# Altium PCB 电解模块主控板SC_V1.1_ZM_20211015.PcbDoc (part 3 of 4)
Units mm, origin at the board's own origin, x right, y up, seen from the top; angles counter-clockwise.
Board outline 150.25 x 100.26 mm, 2 copper layers (Top Layer, Bottom Layer); 223 components, 168 nets, 679 pads, 1966 vias.
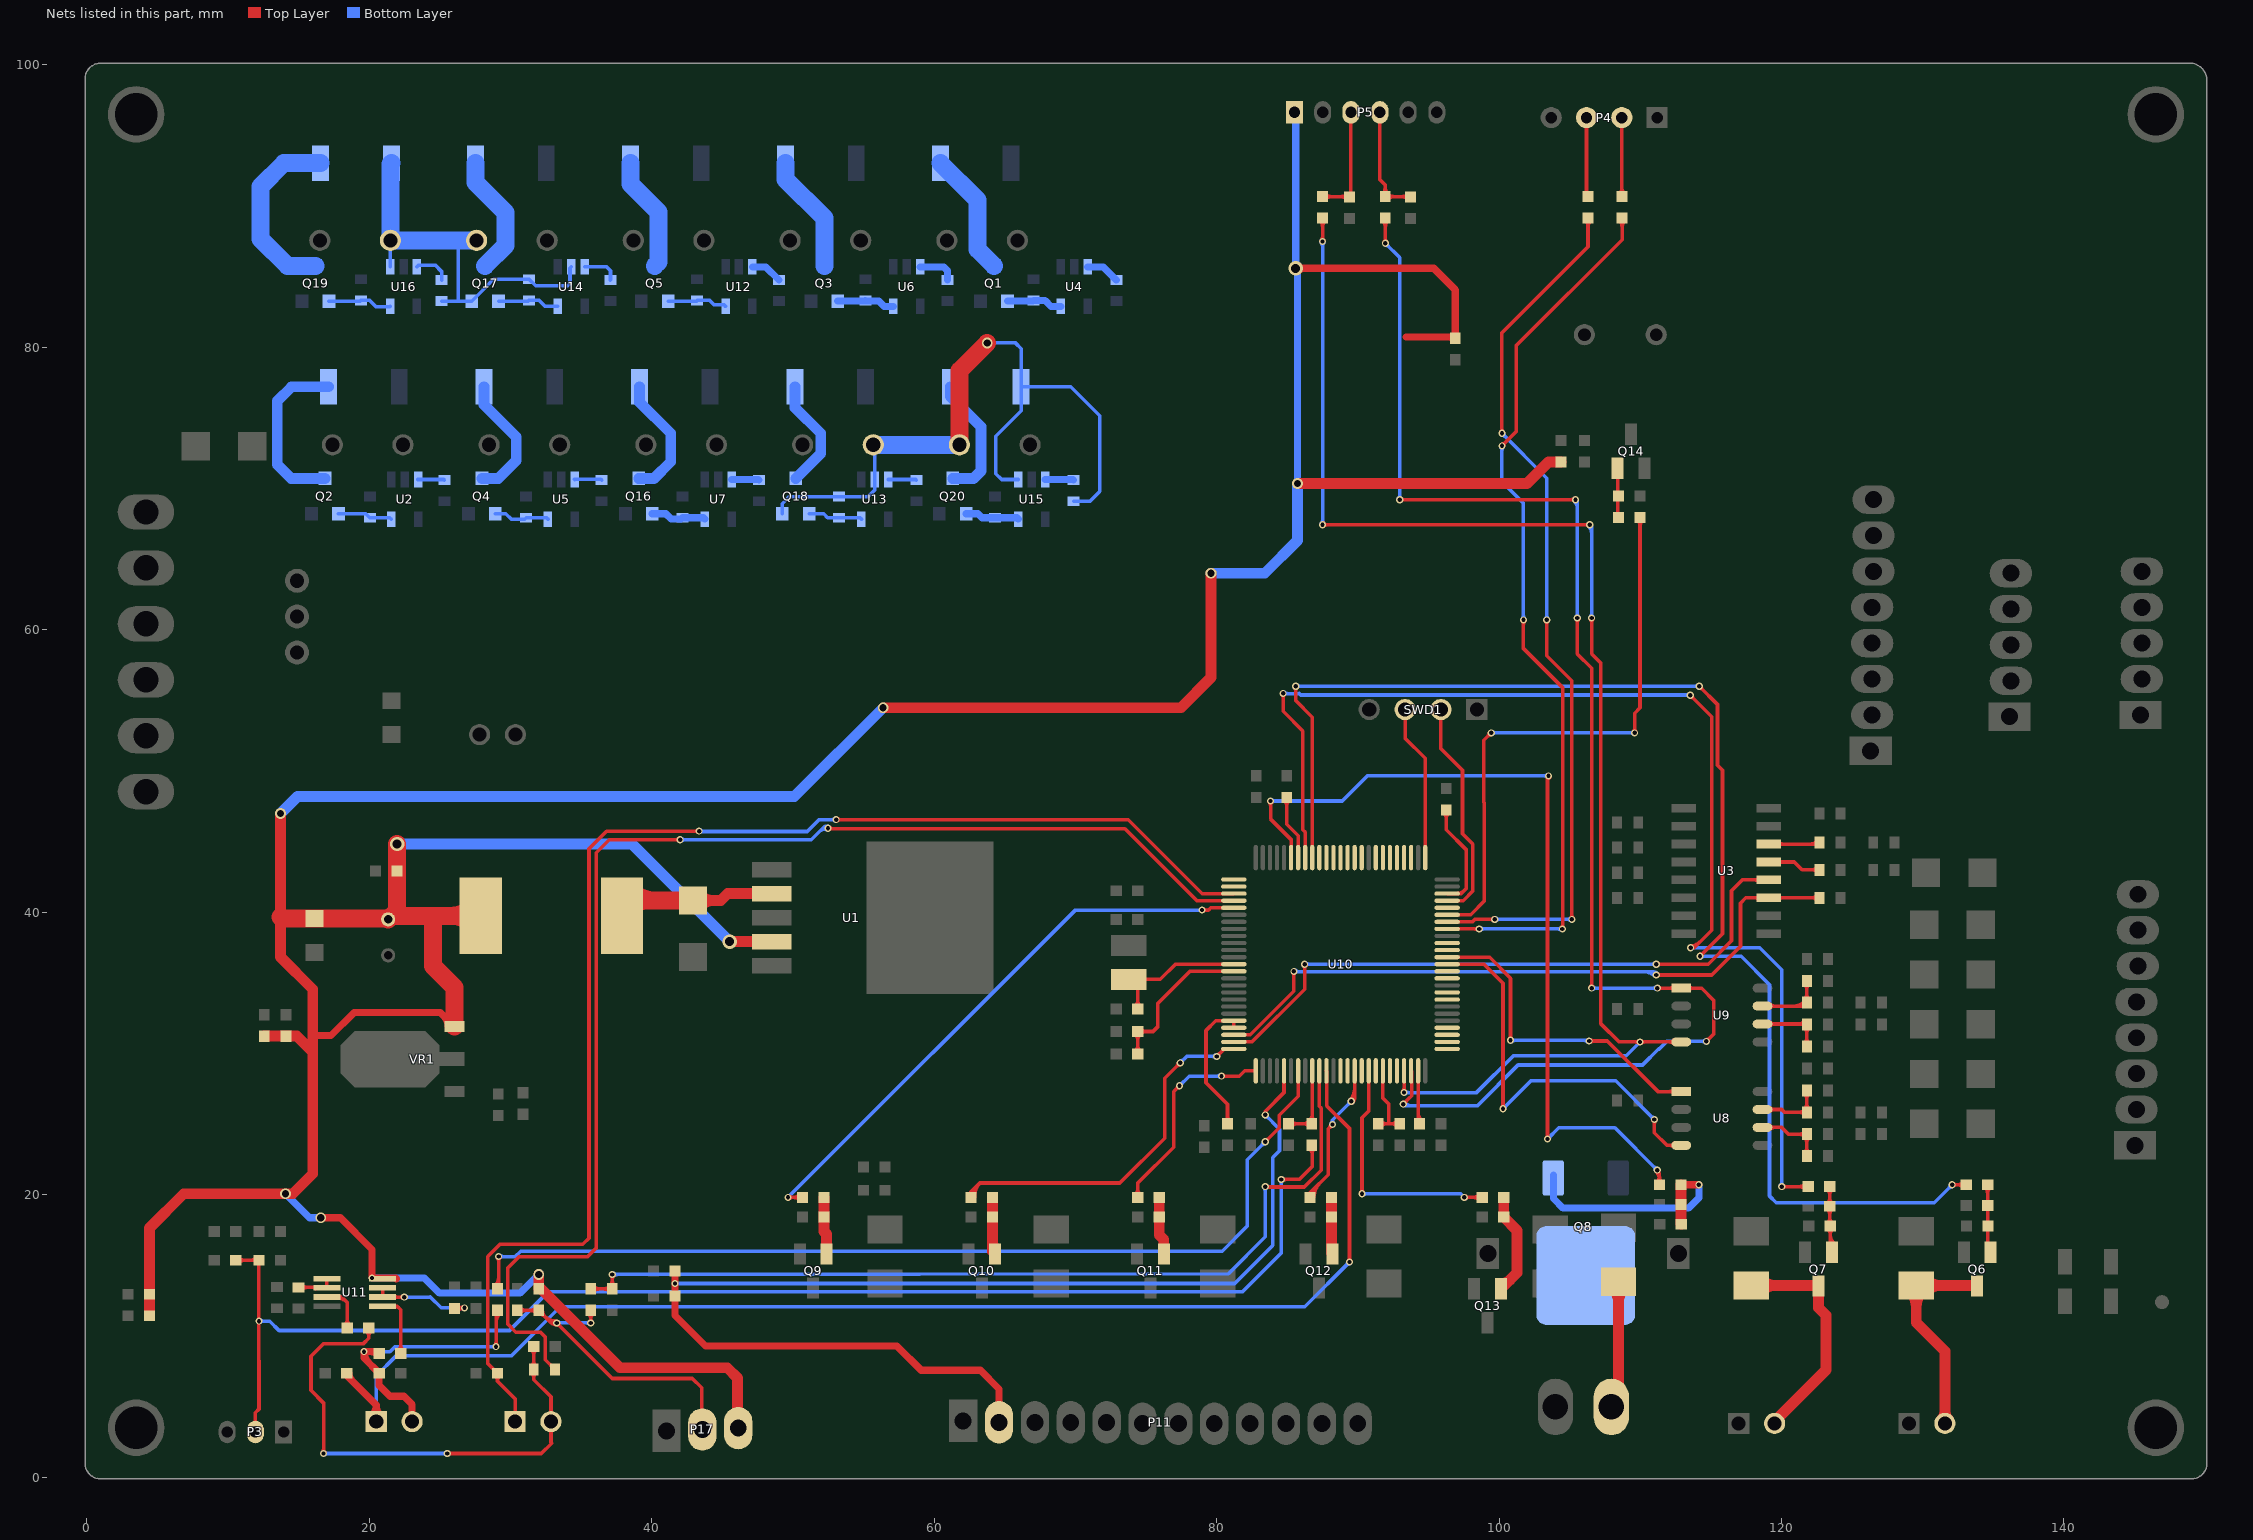
[diagram p3: the nets of this part, all layers, seen from the top]

## Via types
v1: diameter 0.762, hole 0.508, Top Layer to Bottom Layer, tented both sides, 1790 vias
v2: diameter 0.508, hole 0.305, Top Layer to Bottom Layer, tented both sides, 127 vias
v3: diameter 1.016, hole 0.635, Top Layer to Bottom Layer, tented both sides, 39 vias
v4: diameter 1.27, hole 0.762, Top Layer to Bottom Layer, tented both sides, 5 vias
v5: diameter 2.032, hole 1.524, Top Layer to Bottom Layer, tented both sides, 4 vias
v6: diameter 2.54, hole 2.032, Top Layer to Bottom Layer, tented both sides, 1 vias

## Nets (pads, with @x,y where several pads share a name; then routed paths per layer and width w, separated by ;. In a path a pad name is that pad's centre, name@x,y a point inside that pad or via, vN(x,y) a via of type N, cw(c..) or ccw(c..) an arc to the next point about the centre after c; other vN are vias at no path point) (continued)
NetC37_2: C37.2 R7.2 U10.44 | length 7.4
  Top Layer w0.254: R7.2@91.44,25.019 92.202,25.019 ; R7.2@91.62,24.839 cw(c92.053,24.406) 92.053,25.019 cw(c92.053,25.632) R7.2@91.62,25.199 ; U10.44@91.773,28.772 91.773,26.845 92.202,26.416 92.202,25.019 ; C37.2@92.784,24.839 ccw(c92.351,24.406) 92.351,25.019 ccw(c92.351,25.632) C37.2@92.784,25.199 ; C37.2@92.964,25.019 92.202,25.019
NetC38_2: C38.2 R8.2 U10.34 | length 8.3
  Top Layer w0.254: C38.2@85.09,25.019 R8.2@86.741,25.019 86.773,25.051 U10.34@86.773,28.772 ; C38.2@85.27,24.839 cw(c85.703,24.406) 85.703,25.019 cw(c85.703,25.632) C38.2@85.27,25.199 ; R8.2@86.561,24.839 ccw(c86.128,24.406) 86.128,25.019 ccw(c86.128,25.632) R8.2@86.561,25.199 ; R8.2@86.561,25.218 ccw(c86.051,25.728) 86.773,25.728 ; 86.773,25.574 ccw(c87.277,25.574) R8.2@86.921,25.218
NetC39_2: C39.2 U10.49 | length 4.8
  Top Layer w0.254: C39.2@94.181,25.218 ccw(c93.96,25.439) 94.273,25.439 ; 94.273,25.864 ccw(c95.187,25.864) C39.2@94.541,25.218 ; U10.49@94.273,28.772 94.273,25.107 C39.2@94.361,25.019
NetC40_2: C40.2 R78.1 U10.14 | length 14
  Top Layer w0.254: R78.1@74.242,30.152 ccw(c73.809,30.585) 74.422,30.585 ccw(c75.035,30.585) R78.1@74.602,30.152 ; C40.2@74.242,31.38 cw(c73.809,30.946) 74.422,30.946 cw(c75.035,30.946) C40.2@74.602,31.38 ; R78.1@74.422,29.972 C40.2@74.422,31.559 75.501,31.559 75.819,31.877 75.819,33.528 78.113,35.822 U10.14@81.223,35.822 ; C40.2@74.621,31.38 cw(c75.054,30.946) 75.054,31.559 cw(c75.054,32.173) C40.2@74.621,31.739
NetC41_2: C41.2 C43.1 Q17.2 R101.2 R103.1 R112.1 U14.2 U16.1 | length 29
  Bottom Layer w0.254: U16.1@21.478,85.7 21.478,87.558 C43.1@21.499,87.579 ; R112.1@25.121,83.272 26.314,83.272 ; 26.365,87.579 26.314,87.528 26.314,83.272 ; U14.2@34.303,85.7 34.214,85.611 34.214,84.506 34.061,84.353 31.781,84.353 R101.2@31.312,84.822 28.803,84.822 Q17.2@27.255,83.275 27.252,83.272 26.314,83.272
  Bottom Layer w1.27: R103.1@21.561,93.04 21.499,92.979 C43.1@21.499,87.579 26.365,87.579 C41.2@27.599,87.579
NetC42_2: C42.2 C44.1 Q18.2 R102.2 R107.1 R111.1 U13.2 U15.1 | length 52.9
  Top Layer w1.27: C44.1@61.787,73.101 61.787,78.348 v1(63.754,80.315)
  Bottom Layer w0.254: Q18.2@49.253,68.219 49.253,68.938 49.752,69.437 R102.2@53.245,69.437 55.34,69.437 55.804,69.901 U13.2@55.804,70.644 55.804,72.985 C42.2@55.688,73.101 ; v1(63.754,80.315) 65.761,80.315 66.163,79.912 R107.1@66.163,77.216 ; U15.1@65.954,70.644 64.78,70.644 64.364,71.061 64.364,73.711 66.163,75.51 R107.1@66.163,77.216 ; R111.1@69.875,69.105 71.035,69.105 71.73,69.799 71.73,75.159 69.672,77.216 R107.1@66.163,77.216
  Bottom Layer w1.27: C42.2@55.688,73.101 C44.1@61.787,73.101
NetC45_2: C45.2 U10.73 | length 9.1
  Top Layer w0.254: C45.2@96.086,47.045 cw(c95.653,46.612) 96.266,46.612 cw(c96.879,46.612) C45.2@96.446,47.045 ; C45.2@96.266,47.244 96.266,45.847 97.663,44.45 97.663,41.656 97.329,41.322 U10.73@96.323,41.322 ; U10.73@97.073,41.345 ccw(c97.073,42.019) 97.549,41.542
NetC46_2: C46.2 P11.2 R48.1 U10.30 | length 88.5
  Top Layer w0.254: v2(83.439,25.654) 83.439,25.899 84.773,27.233 U10.30@84.773,28.772
  Top Layer w0.508: R48.1@41.656,14.605 v2(41.656,13.716) C46.2@41.656,12.827 41.656,11.455 43.815,9.296 57.353,9.296 59.08,7.569 63.271,7.569 64.592,6.248 P11.2@64.592,3.888
  Bottom Layer w0.254: v2(41.656,13.716) 81.28,13.716 83.972,16.408 83.972,22.631 84.455,23.114 84.455,24.638 v2(83.439,25.654) ; v2@41.746,13.626 cw(c41.963,13.409) 41.963,13.716 cw(c41.963,14.023) v2@41.746,13.806 ; v2@83.439,25.527 cw(c83.439,25.22) 83.656,25.437 cw(c83.873,25.654) v2@83.566,25.654
NetC50_1: C50.1 U10.13 Y1.1 | length 11.2
  Top Layer w0.254: C50.1@74.242,33.327 ccw(c73.809,33.76) 74.422,33.76 ccw(c75.035,33.76) C50.1@74.602,33.327 ; C50.1@74.422,33.147 74.422,34.614 Y1.1@73.787,35.249 76.016,35.249 77.089,36.322 U10.13@81.223,36.322
NetD3_2: D3.2 L1.1 U1.2 | length 16.9
  Top Layer w0.762: L1.1@37.893,39.751 L1.1@38.972,40.83 ; D3.2@42.926,40.83 44.894,40.83 45.388,41.324 U1.2@48.514,41.324 ; D3.2@43.364,40.392 cw(c44.42,39.336) 44.42,40.83 cw(c44.42,42.324) D3.2@43.364,41.268
  Top Layer w1.27: L1.1@38.505,40.339 cw(c39.689,39.155) 39.689,40.83 ; L1.1@38.505,41.563 ccw(c40.273,43.331) 40.273,40.83 ; L1.1@38.972,40.83 D3.2@42.926,40.83
NetD6_1: D6.1 P8.2 Q6.3 | length 21
  Top Layer w0.762: D6.1@129.102,13.141 cw(c128.046,12.085) 129.54,12.085 cw(c131.034,12.085) D6.1@129.978,13.141 ; D6.1@130.228,13.141 cw(c131.284,12.085) 131.284,13.579 cw(c131.284,15.073) D6.1@130.228,14.017 ; P8.2@131.311,4.071 ccw(c130.681,4.701) 131.572,4.701 ccw(c132.463,4.701) P8.2@131.833,4.071 ; P8.2@131.572,3.81 131.572,8.915 129.54,10.947 D6.1@129.54,13.579 133.811,13.579 Q6.3@133.858,13.532
NetD7_1: D7.1 P9.2 Q7.3 | length 18.6
  Top Layer w0.762: D7.1@117.856,13.579 122.571,13.579 Q7.3@122.618,13.532 122.618,12.002 123.158,11.462 123.158,7.588 119.507,3.937 P9.2@119.507,3.81 ; D7.1@118.544,13.141 cw(c119.6,12.085) 119.6,13.579 cw(c119.6,15.073) D7.1@118.544,14.017
NetD8_1: D8.1 P10.2 Q8.3 | length 13
  Top Layer w0.762: P10.2@107.315,3.937 107.315,5.182 108.458,6.325 D8.1@108.458,13.833 D8.1@108.632,13.659 ; D8.1@108.02,13.395 cw(c106.964,12.339) 108.458,12.339 cw(c109.952,12.339) D8.1@108.896,13.395
NetL3_2: L3.2 U10.21 U10.22 | length 11
  Top Layer w0.254: L3.2@80.592,25.218 ccw(c80.159,25.651) 80.772,25.651 ccw(c81.385,25.651) L3.2@80.952,25.218 ; L3.2@80.772,25.019 80.772,26.416 79.248,27.94 79.248,31.623 79.947,32.322 U10.21@81.223,32.322 U10.22@81.223,31.822
NetP1_1: P1.1 TVS5.2 U10.36 | length 97.4
  Top Layer w0.254: U10.36@87.773,28.772 87.808,28.737 87.808,26.289 89.408,24.689 v2(89.408,15.24) ; v2@89.318,15.33 ccw(c89.101,15.547) 89.408,15.547 ccw(c89.715,15.547) v2@89.498,15.33
  Top Layer w0.508: TVS5.2@18.415,7.366 18.415,7.188 20.498,5.105 ; TVS5.2@18.561,7.366 ccw(c19.343,7.366) 18.79,6.813 ; P1.1@20.153,4.294 ccw(c19.37,5.105) 20.498,5.105 ; P1.1@20.498,3.937 20.498,5.105 ; P1.1@20.842,4.294 cw(c21.626,5.105) 20.498,5.105
  Bottom Layer w0.254: P1.1@20.498,3.937 20.498,7.188 21.895,8.585 30.048,8.585 33.528,12.065 86.233,12.065 v2(89.408,15.24) ; v2@89.281,15.24 cw(c88.974,15.24) 89.191,15.023 cw(c89.408,14.806) v2@89.408,15.113
NetP1_2: P1.2 R14.2 R16.1 TVS6.2 | length 24
  Top Layer w0.254: v2@28.892,9.335 ccw(c28.675,9.552) 28.981,9.552 ccw(c29.288,9.552) v2@29.071,9.335 ; R14.2@28.903,11.612 cw(c28.715,11.424) R14.2@28.981,11.424 ; v2(28.981,9.246) 28.981,11.709 R14.2@29.083,11.811 ; 28.981,10.934 cw(c29.941,10.934) R14.2@29.263,11.612
  Top Layer w0.508: 19.957,8.11 cw(c20.738,8.89) v2(19.634,8.89) ; 20.069,8.89 cw(c20.069,8.15) R16.1@20.592,8.673 ; R16.1@20.701,8.763 20.574,8.89 v2(19.634,8.89) ; P1.2@23.038,3.937 23.038,5.156 22.466,5.728 21.467,5.728 20.701,6.494 TVS6.2@20.701,7.366 19.634,8.433 v2(19.634,8.89)
  Bottom Layer w0.254: v2(19.634,8.89) 21.463,8.89 21.819,9.246 v2(28.981,9.246) ; v2@19.724,8.8 cw(c19.941,8.583) 19.941,8.89 cw(c19.941,9.197) v2@19.724,8.98 ; v2@28.892,9.156 ccw(c28.675,8.939) 28.675,9.246 ccw(c28.675,9.552) v2@28.892,9.335
NetP2_1: P2.1 TVS7.2 U10.3 | length 99.1
  Top Layer w0.254: TVS7.2@28.91,7.18 cw(c28.538,6.782) 29.083,6.782 ; TVS7.2@29.256,7.18 ccw(c29.628,6.782) 29.083,6.782 ; P2.1@30.328,3.937 30.328,5.537 29.083,6.782 ; v2@43.268,45.656 ccw(c43.051,45.439) 43.051,45.745 ccw(c43.051,46.052) v2@43.268,45.835 ; v2(43.358,45.745) 36.805,45.745 35.56,44.501 35.56,16.916 35.128,16.485 29.261,16.485 28.397,15.621 28.397,8.052 TVS7.2@29.083,7.366 29.083,6.782 ; v2(53.061,46.558) 73.736,46.558 78.972,41.322 U10.3@81.223,41.322 ; v2@53.15,46.468 cw(c53.367,46.252) 53.367,46.558 cw(c53.367,46.865) v2@53.15,46.648
  Bottom Layer w0.254: v2(43.358,45.745) 43.383,45.72 51.003,45.72 51.841,46.558 v2(53.061,46.558) ; v2@43.448,45.835 ccw(c43.726,46.113) 43.726,45.72 ; v2@52.971,46.468 ccw(c52.754,46.252) 52.754,46.558 ccw(c52.754,46.865) v2@52.971,46.648
NetP2_2: P2.2 R23.2 R25.1 TVS12.2 | length 42
  Top Layer w0.254: v2@16.674,1.766 ccw(c16.457,1.983) 16.764,1.983 ccw(c17.071,1.983) v2@16.854,1.766 ; v2(16.764,1.676) 16.764,5.258 15.875,6.147 15.875,8.56 16.777,9.461 19.596,9.461 19.964,9.83 R25.1@19.964,10.566 ; R25.1@19.785,10.387 cw(c19.351,9.953) 19.964,9.953 cw(c20.578,9.953) R25.1@20.144,10.387 ; v2(25.527,1.676) 32.182,1.676 32.918,2.413 32.868,2.464 P2.2@32.868,3.937 32.868,5.688 31.647,6.909 R23.2@31.647,7.62 ; v2@25.617,1.587 cw(c25.834,1.37) 25.834,1.676 cw(c25.834,1.983) v2@25.617,1.766 ; TVS12.2@31.469,9.066 cw(c31.035,8.632) 31.648,8.632 cw(c32.262,8.632) TVS12.2@31.828,9.066 ; R23.2@31.489,7.387 cw(c31.109,7.007) 31.647,7.007 cw(c32.185,7.007) R23.2@31.805,7.387 ; R23.2@31.489,7.853 ccw(c31.105,8.237) 31.648,8.237 ; R23.2@31.648,7.62 TVS12.2@31.648,9.246 ; 31.648,8.23 ccw(c32.182,8.23) R23.2@31.805,7.853
  Bottom Layer w0.254: v2(16.764,1.676) v2(25.527,1.676) ; v2@16.854,1.587 cw(c17.071,1.37) 17.071,1.676 cw(c17.071,1.983) v2@16.854,1.766 ; v2@25.437,1.587 ccw(c25.22,1.37) 25.22,1.676 ccw(c25.22,1.983) v2@25.437,1.766
NetP3_2: P3.2 R6.2 R8.1 TVS2.2 | length 102
  Top Layer w0.254: TVS2.2@10.541,15.367 R6.2@12.192,15.367 12.167,15.342 12.167,8.284 12.192,8.259 12.192,4.826 11.938,4.572 P3.2@11.938,3.2 ; TVS2.2@10.74,15.187 cw(c11.173,14.754) 11.173,15.367 cw(c11.173,15.98) TVS2.2@10.74,15.547 ; 11.56,15.367 ccw(c11.56,15.98) R6.2@11.993,15.547 ; v2(84.582,21.082) 85.852,21.082 86.766,21.996 86.766,23.47 R8.1@86.741,23.495 ; v2@84.672,20.992 cw(c84.889,20.775) 84.889,21.082 cw(c84.889,21.389) v2@84.672,21.172 ; R8.1@86.561,23.296 cw(c86.066,22.801) 86.766,22.801 ; 86.766,22.924 cw(c87.293,22.924) R8.1@86.921,23.296
  Bottom Layer w0.254: v2(12.192,11.049) 12.954,11.049 13.614,10.389 29.934,10.389 32.69,13.144 81.852,13.144 84.582,15.875 v2(84.582,21.082) ; v2@12.282,10.959 cw(c12.499,10.742) 12.499,11.049 cw(c12.499,11.356) v2@12.282,11.139 ; v2@84.492,20.992 cw(c84.275,20.775) 84.582,20.775 cw(c84.889,20.775) v2@84.672,20.992
NetP4_2: P4.2 R11.1 | length 6.6
  Top Layer w0.254: R11.1@108.532,90.877 ccw(c108.147,91.262) 108.692,91.262 ; 108.692,91.358 ccw(c109.373,91.358) R11.1@108.892,90.877 ; P4.2@108.692,96.266 108.692,90.698 R11.1@108.712,90.678
NetP4_3: P4.3 R9.1 | length 5.6
  Top Layer w0.254: P4.3@106.192,96.266 106.192,90.785 R9.1@106.299,90.678
NetP5_3: P5.3 R10.1 TVS3.2 | length 9.9
  Top Layer w0.254: R10.1@87.503,90.678 89.383,90.678 TVS3.2@89.408,90.653 89.511,90.755 P5.3@89.511,96.641 ; R10.1@87.683,90.498 cw(c88.116,90.065) 88.116,90.678 cw(c88.116,91.291) R10.1@87.683,90.858 ; 88.779,90.678 cw(c88.779,90.043) TVS3.2@89.228,90.492 ; 88.81,90.678 ccw(c88.81,91.269) TVS3.2@89.228,90.851
NetP5_4: P5.4 R12.1 TVS4.2 | length 10.8
  Top Layer w0.254: P5.4@91.561,96.641 91.561,91.884 91.928,91.516 91.928,90.698 R12.1@91.948,90.678 93.701,90.678 TVS4.2@93.726,90.653 ; R12.1@91.768,90.877 ccw(c91.383,91.262) 91.928,91.262 ; 91.928,91.358 ccw(c92.609,91.358) R12.1@92.128,90.877 ; R12.1@92.128,90.498 cw(c92.561,90.065) 92.561,90.678 cw(c92.561,91.291) R12.1@92.128,90.858 ; 93.097,90.678 cw(c93.097,90.043) TVS4.2@93.546,90.492 ; 93.128,90.678 ccw(c93.128,91.269) TVS4.2@93.546,90.851
NetP17_2: P17.2 R19.1 R50.2 TVS11.2 | length 28.6
  Top Layer w0.254: TVS11.2@30.48,11.811 R50.2@32.004,11.811 32.893,10.922 v2(33.274,10.922) 37.211,6.985 42.875,6.985 43.536,6.325 P17.2@43.536,4.091 ; TVS11.2@30.66,11.631 cw(c31.093,11.198) 31.093,11.811 cw(c31.093,12.424) TVS11.2@30.66,11.991 ; R50.2@31.824,11.631 ccw(c31.391,11.198) 31.391,11.811 ccw(c31.391,12.424) R50.2@31.824,11.991 ; R50.2@32.004,11.538 cw(c32.004,10.879) 32.47,11.345 ; R50.2@32.258,11.792 ccw(c32.825,11.792) 32.424,11.391 ; 32.407,11.408 ccw(c33.274,12.275) v2@33.274,11.049 ; 32.84,10.975 ccw(c33.274,11.408) 33.274,10.795 cw(c33.274,10.488) 33.491,10.705 cw(c33.708,10.922) v2@33.401,10.922 ; v2@33.184,10.832 ccw(c32.967,10.615) 32.967,10.922 ccw(c32.967,11.229) v2@33.184,11.012 ; R19.1@35.507,11.612 cw(c35.074,11.179) 35.687,11.179 cw(c36.3,11.179) R19.1@35.867,11.612 ; v2@35.597,11.012 ccw(c35.38,11.229) 35.687,11.229 ccw(c35.994,11.229) v2@35.777,11.012 ; v2(35.687,10.922) R19.1@35.687,11.811
  Bottom Layer w0.254: v2(33.274,10.922) v2(35.687,10.922) ; v2@33.364,10.832 cw(c33.581,10.615) 33.581,10.922 cw(c33.581,11.229) v2@33.364,11.012 ; v2@35.597,10.832 ccw(c35.38,10.615) 35.38,10.922 ccw(c35.38,11.229) v2@35.597,11.012
NetQ1_1: Q1.1 R28.1 U4.5 | length 4
  Bottom Layer w0.508: Q1.1@65.187,83.275 66.983,83.275 R28.1@67.031,83.322 67.858,83.322 68.281,82.9 U4.5@68.976,82.9
NetQ1_3: Q1.3 R1.2 | length 8.8
  Bottom Layer w1.27: R1.2@60.456,93.04 63.068,90.428 63.068,86.943 Q1.3@64.237,85.775
NetQ2_1: Q2.1 R29.1 U2.5 | length 3.9
  Bottom Layer w0.254: Q2.1@17.816,68.219 19.758,68.219 R29.1@20.041,67.937 21.462,67.937 U2.5@21.554,67.844
NetQ2_3: Q2.3 R13.2 | length 12.3
  Bottom Layer w0.762: Q2.3@16.866,70.719 14.473,70.719 13.487,71.704 13.487,76.2 14.503,77.216 R13.2@17.123,77.216
NetQ3_1: Q3.1 R66.1 U6.5 | length 4.1
  Bottom Layer w0.508: Q3.1@53.176,83.275 55.076,83.275 R66.1@55.124,83.322 55.16,83.287 56.083,83.287 56.47,82.9 U6.5@57.102,82.9
NetQ3_3: Q3.3 R30.2 | length 8.4
  Bottom Layer w1.27: R30.2@49.482,93.04 49.482,91.894 52.226,89.15 Q3.3@52.226,85.775
NetQ4_1: Q4.1 R67.1 U5.5 | length 4
  Bottom Layer w0.254: Q4.1@28.928,68.219 29.673,68.219 30.048,67.843 31.015,67.843 R67.1@31.109,67.937 32.562,67.937 U5.5@32.654,67.844
NetQ4_3: Q4.3 R53.2 | length 9.1
  Bottom Layer w0.762: Q4.3@27.978,70.719 29.139,70.719 30.404,71.984 30.404,73.66 28.133,75.93 R53.2@28.133,77.216
NetQ5_1: Q5.1 R89.1 U12.5 | length 4.3
  Bottom Layer w0.254: Q5.1@41.166,83.275 43.17,83.275 R89.1@43.218,83.322 44.109,83.322 44.399,83.033 45.094,83.033 U12.5@45.227,82.9
NetQ5_3: Q5.3 R68.2 | length 8.2
  Bottom Layer w1.27: R68.2@38.508,93.04 38.508,91.565 40.488,89.586 40.488,86.046 Q5.3@40.216,85.775
NetQ6_1: Q6.1 R31.1 R34.1 TVS8.2 | length 5.8
  Top Layer w0.254: R31.1@134.415,20.521 cw(c133.981,20.088) 134.595,20.088 cw(c135.208,20.088) R31.1@134.774,20.521 ; R31.1@134.595,20.701 R34.1@134.595,19.241 134.595,16.145 Q6.1@134.808,15.932
NetQ7_1: Q7.1 R32.1 R35.1 TVS9.2 | length 11.1
  Top Layer w0.254: R35.1@123.239,18.997 cw(c122.805,18.564) 123.419,18.564 cw(c124.032,18.564) R35.1@123.598,18.997 ; R35.1@123.239,19.357 ccw(c122.805,19.79) 123.419,19.79 ccw(c124.032,19.79) R35.1@123.598,19.357 ; R32.1@123.239,20.394 cw(c122.805,19.961) 123.419,19.961 cw(c124.032,19.961) R32.1@123.598,20.394 ; TVS9.2@123.245,17.96 ccw(c122.827,18.378) 123.419,18.378 ; TVS9.2@123.264,17.6 cw(c122.831,17.167) 123.444,17.167 cw(c124.057,17.167) TVS9.2@123.624,17.6 ; Q7.1@123.358,16.468 ccw(c123.15,16.676) Q7.1@123.444,16.676 ; 123.419,18.409 ccw(c124.054,18.409) TVS9.2@123.605,17.96 ; R32.1@123.419,20.574 R35.1@123.419,19.177 123.419,17.805 TVS9.2@123.444,17.78 123.444,16.056 Q7.1@123.568,15.932 ; Q7.1@123.444,16.664 ccw(c123.975,16.664) Q7.1@123.6,16.288 ; 123.444,17.277 ccw(c124.588,17.277) Q7.1@123.779,16.468
NetQ8_1: Q8.1 R33.1 R36.1 TVS10.2 | length 17.6
  Top Layer w0.508: R33.1@112.878,20.701 v2(114.148,20.701)
  Top Layer w0.762: R33.1@112.878,20.701 R36.1@112.878,19.304 112.878,17.932 TVS10.2@112.903,17.907
  Bottom Layer w0.508: Q8.1@103.847,21.403 103.847,19.724 104.521,19.05 113.411,19.05 114.148,19.787 v2(114.148,20.701)
NetQ9_1: Q9.1 R37.1 R42.1 | length 4.1
  Top Layer w0.762: R37.1@52.197,19.812 R42.1@52.197,18.415 52.197,17.399 52.385,17.211 Q9.1@52.385,15.805
NetQ10_1: Q10.1 R38.1 R43.1 | length 4.7
  Top Layer w0.762: 64.135,16.69 ccw(c64.883,16.69) Q10.1@64.354,16.161 ; R38.1@64.135,19.812 R43.1@64.135,18.415 64.135,15.993 Q10.1@64.323,15.805
NetQ11_1: Q11.1 R39.1 R44.1 | length 4.1
  Top Layer w0.762: R39.1@75.946,19.812 R44.1@75.946,18.415 75.946,17.145 76.261,16.83 Q11.1@76.261,15.805
NetQ12_1: Q12.1 R40.1 R45.1 | length 4
  Top Layer w0.762: R40.1@88.138,19.812 R45.1@88.138,18.415 88.138,15.866 Q12.1@88.199,15.805
NetQ13_1: Q13.1 R41.1 R46.1 | length 8
  Top Layer w0.762: Q13.1@100.137,13.341 101.27,14.474 101.27,17.475 R46.1@100.33,18.415 R41.1@100.33,19.812 ; Q13.1@100.137,13.71 ccw(c100.137,14.601) 100.767,13.971
NetQ14_1: Q14.1 R57.2 R59.1 | length 3.5
  Top Layer w0.254: Q14.1@108.397,71.444 108.397,68.006 R57.2@108.458,67.945
NetQ16_1: Q16.1 R90.1 U7.5 | length 3.9
  Bottom Layer w0.508: Q16.1@40.041,68.219 41.001,68.219 41.377,67.843 42.083,67.843 R90.1@42.177,67.937 43.661,67.937 U7.5@43.754,67.844
NetQ16_3: Q16.3 R83.2 | length 9
  Bottom Layer w0.762: Q16.3@39.091,70.719 40.163,70.719 41.351,71.907 41.351,73.914 39.143,76.122 R83.2@39.143,77.216
NetQ17_1: Q17.1 R101.1 U14.5 | length 4.4
  Bottom Layer w0.254: Q17.1@29.155,83.275 31.264,83.275 R101.1@31.312,83.322 32.029,83.322 32.452,82.9 U14.5@33.353,82.9
NetQ17_3: Q17.3 R91.2 | length 8.7
  Bottom Layer w1.27: R91.2@27.535,93.04 27.535,91.668 29.642,89.56 29.642,87.211 Q17.3@28.205,85.775
NetQ18_1: Q18.1 R102.1 U13.5 | length 3.9
  Bottom Layer w0.254: Q18.1@51.153,68.219 52.177,68.219 52.451,67.945 53.236,67.945 R102.1@53.245,67.937 54.761,67.937 U13.5@54.854,67.844
NetQ18_3: Q18.3 R95.2 | length 8
  Bottom Layer w0.762: R95.2@50.153,77.216 50.153,75.729 51.971,73.911 51.971,72.487 Q18.3@50.203,70.719
NetQ19_1: Q19.1 R113.1 U16.5 | length 4.5
  Bottom Layer w0.254: Q19.1@17.145,83.275 19.358,83.275 R113.1@19.406,83.322 20.03,83.322 20.472,82.88 21.459,82.88 U16.5@21.478,82.9
NetQ19_3: Q19.3 R103.2 | length 13.4
  Bottom Layer w1.27: Q19.3@16.195,85.775 14.2,85.775 12.294,87.681 12.294,91.389 13.945,93.04 R103.2@16.561,93.04
NetQ20_1: Q20.1 R114.1 U15.5 | length 3.8
  Bottom Layer w0.508: Q20.1@62.266,68.219 63.099,68.219 63.381,67.937 R114.1@64.313,67.937 65.861,67.937 U15.5@65.954,67.844
NetQ20_3: Q20.3 R107.2 | length 9.1
  Bottom Layer w0.762: R107.2@61.163,77.216 61.163,76.53 63.322,74.371 63.322,71.247 62.794,70.719 Q20.3@61.316,70.719
NetR9_2: R9.2 U10.69 | length 68
  Top Layer w0.254: U10.69@96.323,39.322 98.123,39.322 98.298,39.497 v2(99.695,39.497) ; v2@99.605,39.407 ccw(c99.388,39.19) 99.388,39.497 ccw(c99.388,39.804) v2@99.605,39.587 ; v2@100.113,74.004 ccw(c99.896,74.221) 100.203,74.221 ccw(c100.51,74.221) v2@100.293,74.004 ; v2(100.203,73.914) 100.203,81.026 106.299,87.122 R9.2@106.299,89.154 ; v2@103.288,60.616 cw(c103.071,60.399) 103.378,60.399 cw(c103.685,60.399) v2@103.468,60.616 ; v2(103.378,60.706) 103.378,58.166 105.156,56.388 v2(105.156,39.497) ; v2@105.066,39.587 ccw(c104.849,39.804) 105.156,39.804 ccw(c105.463,39.804) v2@105.246,39.587 ; R9.2@106.119,88.955 cw(c105.686,88.522) 106.299,88.522 cw(c106.912,88.522) R9.2@106.479,88.955
  Bottom Layer w0.254: v2(99.695,39.497) v2(105.156,39.497) ; v2@99.785,39.407 cw(c100.002,39.19) 100.002,39.497 cw(c100.002,39.804) v2@99.785,39.587 ; v2@100.203,73.787 cw(c100.203,73.48) 100.42,73.697 cw(c100.637,73.914) v2@100.33,73.914 ; v2(100.203,73.914) 103.378,70.739 v2(103.378,60.706) ; v2@103.288,60.796 ccw(c103.071,61.013) 103.378,61.013 ccw(c103.685,61.013) v2@103.468,60.796 ; v2@105.066,39.407 ccw(c104.849,39.19) 104.849,39.497 ccw(c104.849,39.804) v2@105.066,39.587
NetR11_2: R11.2 U10.68 | length 68.5
  Top Layer w0.254: U10.68@96.323,38.822 v2(98.592,38.822) ; v2@98.502,38.732 ccw(c98.285,38.515) 98.285,38.822 ccw(c98.285,39.129) v2@98.502,38.912 ; v2(100.203,73.025) 101.219,74.041 101.219,80.137 108.712,87.63 R11.2@108.712,89.154 ; v2@100.203,73.152 ccw(c100.203,73.459) 100.42,73.242 ccw(c100.637,73.025) v2@100.33,73.025 ; v2@101.637,60.616 cw(c101.42,60.399) 101.727,60.399 cw(c102.034,60.399) v2@101.817,60.616 ; v2(101.727,60.706) 101.727,58.674 104.521,55.88 104.521,38.862 v2(104.481,38.822) ; v2@104.391,38.912 ccw(c104.078,39.225) 104.521,39.225 ; R11.2@108.532,88.955 cw(c108.099,88.522) 108.712,88.522 cw(c109.325,88.522) R11.2@108.892,88.955